# Altium PCB 全兼容主控.PCBDOC (part 2 of 9)
Units mil, origin at the board's own origin, x right, y up, seen from the top; angles counter-clockwise.
Board outline 7562.36 x 15046.55 mil, 2 copper layers (TopLayer, BottomLayer); 375 components, 257 nets, 1094 pads, 839 vias.
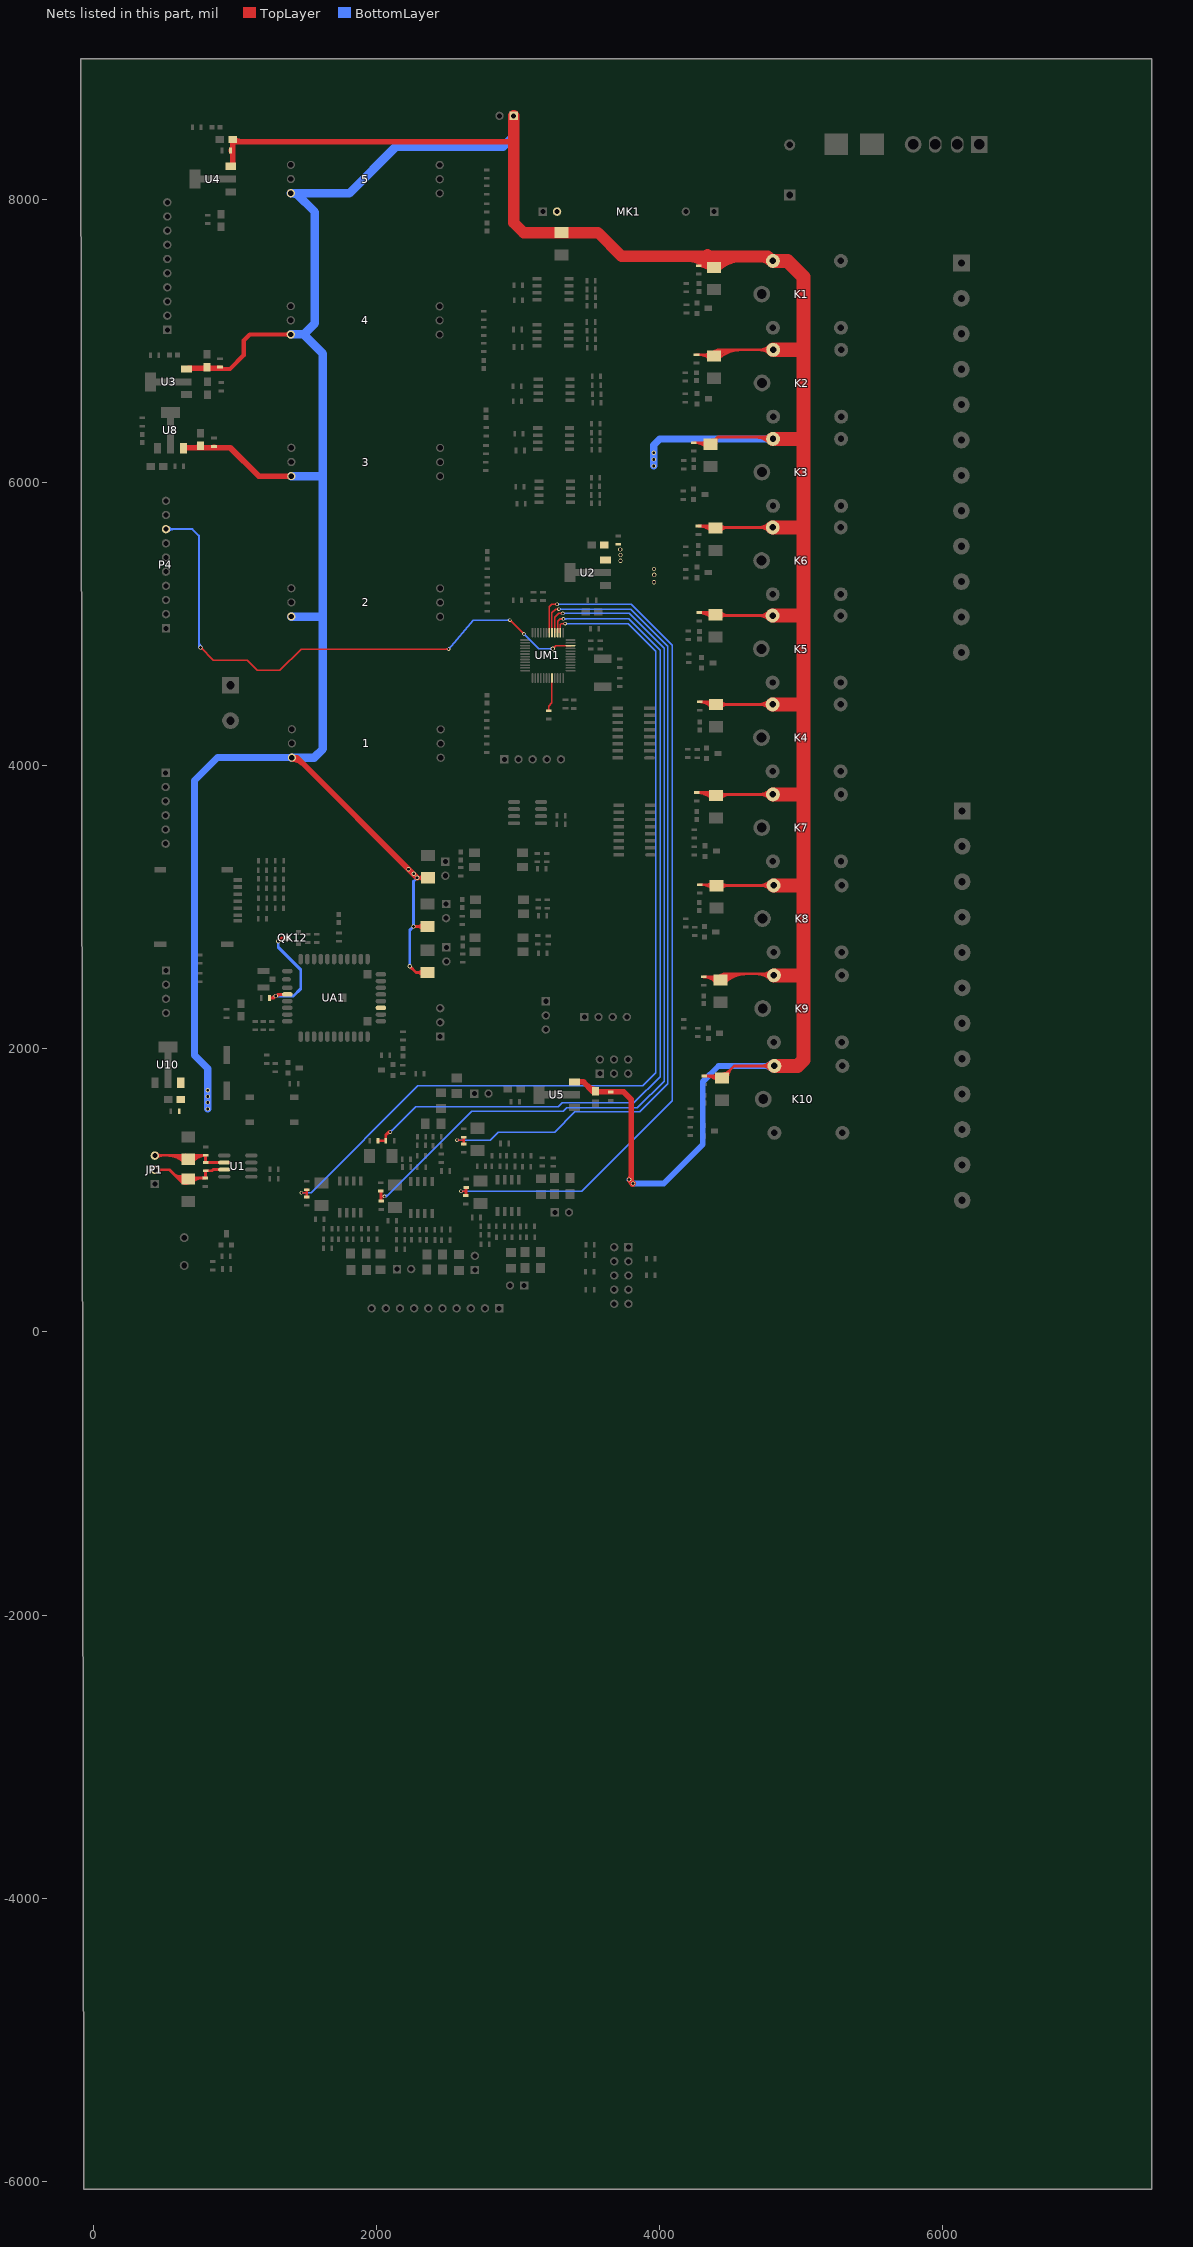
[diagram p2: the nets of this part, all layers, seen from the top]

## Via types
v1: diameter 30, hole 20, TopLayer to BottomLayer, 758 vias
v2: diameter 25, hole 15, TopLayer to BottomLayer, 81 vias

## Nets (pads, with @x,y where several pads share a name; then routed paths per layer and width w, separated by ;. In a path a pad name is that pad's centre, name@x,y a point inside that pad or via, vN(x,y) a via of type N, cw(c..) or ccw(c..) an arc to the next point about the centre after c; other vN are vias at no path point) (continued)
+12V: 1.3 2.3 3.3 4.3 5.3 CP1.1 CP2.2 CP3.1 CP4.1 CP5.2 CP6.2 CP7.1 CP8.2 CP9.1 CP10.2 CP11.1 CP12.2 DJ1.2 DJ2.2 DJ3.2 DJ4.2 DJ5.2 DJ6.2 DJ7.2 DJ8.2 DJ9.2 DJ10.2 DP1.1 DP2.1 DP3.1 DZ1.2 K1.4 K2.4 K3.4 K4.4 K5.4 K6.4 K7.4 K8.4 K9.4 K10.4 MK1.3 P1.1 RJ1.1 RJ2.1 RJ3.1 RJ8.1 RJ9.1 RJ10.1 RJ12.1 RJ13.1 RJ14.1 RJ16.1 U2.3 U3.3 U4.3 U5.3 U8.3 U10.3 | length 59060.6
  TopLayer w20: U3.3@657.71,6800.26 671.52,6814.07 CP5.2@895.36,6814.07 ; v1(2235.32,2582.39) 2280.26,2537.45 DP3.1@2361.71,2537.45 ; v1(2262.7,2863.31) DP2.1@2362.18,2863.31 ; DP1.1@2363.2,3206.9 v1(2287.71,3206.9) ; RJ3.1@4241.9,6279.63 4350.35,6279.63 DJ3.2@4361.02,6268.96 4411.64,6319.59 ; RJ2.1@4260.78,6901.12 DJ2.2@4372.91,6901.12 ; RJ12.1@4261.72,3808.32 4377.46,3808.32 DJ7.2@4398.08,3787.7 4406.01,3795.63 K7.4@4800.61,3795.63 ; RJ10.1@4275.13,5691.09 4410.85,5691.09 DJ6.2@4425.28,5676.67 ; RJ9.1@4280.03,5079.75 4394,5079.75 DJ5.2@4417.32,5056.43 ; RJ13.1@4282.4,3158.15 4400.92,3158.15 DJ8.2@4409.31,3149.76 ; RJ16.1@4315.66,1806.13 4428.76,1806.13 DJ10.2@4441.27,1793.61 4525.78,1878.11 K10.4@4810.86,1878.11 ; DJ5.2@4385.53,5079.75 4406.87,5058.41 K5.4@4798.13,5058.41 ; DJ2.2@4385.73,6892.39 4429.28,6935.94 ; DJ6.2@4394.86,5676.92 4399.76,5681.83 K6.4@4799.13,5681.83 ; DJ8.2@4401.15,3151.07 4403.58,3153.5 K8.4@4805.53,3153.5 ; K4.4@4798.52,4431.4 4398.77,4431.4 DJ4.2@4398,4430.63 4378.97,4449.66 RJ8.1@4284.02,4449.66 ; K1.4@4800.54,7563.94 4431.04,7563.94 DJ1.2@4385.13,7518.03 4373.03,7530.14 RJ1.1@4277.03,7530.14 ; K2.4@4802.4,6935.94 4429.28,6935.94 ; K3.4@4803.74,6319.59 4411.64,6319.59 ; K9.4@4804.91,2528.9 4464.23,2528.9 ; U3.3@667.56,6803.8 cw(c692.36,6779) U3.3@692.36,6814.07 ; U3.3@667.56,6803.8 cw(c692.36,6779) U3.3@692.36,6814.07 ; U3.3@667.56,6803.8 cw(c692.36,6779) U3.3@692.36,6814.07 ; U3.3@681.7,6789.66 cw(c740.65,6730.71) 740.65,6814.07 ; U3.3@681.7,6789.66 cw(c740.65,6730.71) 740.65,6814.07 ; U3.3@681.7,6789.66 cw(c740.65,6730.71) 740.65,6814.07 ; 767.15,6814.07 ccw(c767.15,6850.45) CP3.1@792.87,6824.73 ; 767.15,6814.07 ccw(c767.15,6850.45) CP3.1@792.87,6824.73 ; 767.15,6814.07 ccw(c767.15,6850.45) CP3.1@792.87,6824.73 ; 767.37,6814.07 cw(c767.37,6778.02) CP3.1@792.87,6803.51 ; 767.37,6814.07 cw(c767.37,6778.02) CP3.1@792.87,6803.51 ; 767.37,6814.07 cw(c767.37,6778.02) CP3.1@792.87,6803.51 ; CP3.1@814.08,6803.51 cw(c839.57,6778.02) 839.57,6814.07 ; CP3.1@814.08,6803.51 cw(c839.57,6778.02) 839.57,6814.07 ; CP3.1@814.08,6803.51 cw(c839.57,6778.02) 839.57,6814.07 ; CP3.1@814.08,6824.73 ccw(c839.8,6850.45) 839.8,6814.07 ; CP3.1@814.08,6824.73 ccw(c839.8,6850.45) 839.8,6814.07 ; CP3.1@814.08,6824.73 ccw(c839.8,6850.45) 839.8,6814.07 ; 2280.97,2537.45 cw(c2280.97,2466.55) DP3.1@2331.1,2516.68 ; 2280.97,2537.45 ccw(c2280.97,2608.36) DP3.1@2331.1,2558.22 ; 2280.97,2537.45 cw(c2280.97,2466.55) DP3.1@2331.1,2516.68 ; 2280.97,2537.45 ccw(c2280.97,2608.36) DP3.1@2331.1,2558.22 ; 2280.97,2537.45 cw(c2280.97,2466.55) DP3.1@2331.1,2516.68 ; 2280.97,2537.45 ccw(c2280.97,2608.36) DP3.1@2331.1,2558.22 ; 2281.43,2863.31 cw(c2281.43,2792.4) DP2.1@2331.57,2842.54 ; 2281.43,2863.31 ccw(c2281.43,2934.21) DP2.1@2331.57,2884.08 ; 2281.43,2863.31 cw(c2281.43,2792.4) DP2.1@2331.57,2842.54 ; 2281.43,2863.31 ccw(c2281.43,2934.21) DP2.1@2331.57,2884.08 ; 2281.43,2863.31 cw(c2281.43,2792.4) DP2.1@2331.57,2842.54 ; 2281.43,2863.31 ccw(c2281.43,2934.21) DP2.1@2331.57,2884.08 ; v1(2287.71,3206.9) cw(c2287.71,3148.22) DP1.1@2331.46,3187.33 ; v1(2287.71,3206.9) ccw(c2287.71,3265.59) DP1.1@2331.46,3226.48 ; v1(2287.71,3206.9) cw(c2287.71,3148.22) DP1.1@2331.46,3187.33 ; v1(2287.71,3206.9) ccw(c2287.71,3265.59) DP1.1@2331.46,3226.48 ; v1(2287.71,3206.9) cw(c2287.71,3148.22) DP1.1@2331.46,3187.33 ; v1(2287.71,3206.9) ccw(c2287.71,3265.59) DP1.1@2331.46,3226.48 ; RJ3.1@4254.51,6279.63 cw(c4254.51,6172.3) DJ3.2@4330.4,6248.2 ; RJ3.1@4254.51,6279.63 cw(c4254.51,6172.3) DJ3.2@4330.4,6248.2 ; RJ3.1@4254.51,6279.63 cw(c4254.51,6172.3) DJ3.2@4330.4,6248.2 ; RJ12.1@4267.56,3808.32 cw(c4267.56,3667.02) DJ7.2@4367.47,3766.93 ; RJ12.1@4267.56,3808.32 cw(c4267.56,3667.02) DJ7.2@4367.47,3766.93 ; RJ12.1@4267.56,3808.32 cw(c4267.56,3667.02) DJ7.2@4367.47,3766.93 ; RJ1.1@4277.03,7530.14 cw(c4277.04,7422.39) DJ1.2@4354.24,7497.55 ; RJ1.1@4277.03,7530.14 cw(c4277.04,7422.39) DJ1.2@4354.24,7497.55 ; RJ1.1@4277.03,7530.14 cw(c4277.04,7422.39) DJ1.2@4354.24,7497.55 ; RJ10.1@4279.89,5691.09 cw(c4279.89,5571.8) DJ6.2@4364.24,5656.15 ; RJ10.1@4279.89,5691.09 cw(c4279.89,5571.8) DJ6.2@4364.24,5656.15 ; RJ10.1@4279.89,5691.09 cw(c4279.89,5571.8) DJ6.2@4364.24,5656.15 ; RJ9.1@4280.03,5079.75 cw(c4280.07,4958.43) DJ5.2@4365.86,5044.22 ; RJ9.1@4280.03,5079.75 cw(c4280.07,4958.43) DJ5.2@4365.86,5044.22 ; RJ9.1@4280.03,5079.75 cw(c4280.07,4958.43) DJ5.2@4365.86,5044.22 ; 4283.92,6901.12 cw(c4283.92,6800.42) DJ2.2@4355.12,6871.62 ; 4283.92,6901.12 cw(c4283.92,6800.42) DJ2.2@4355.12,6871.62 ; 4283.92,6901.12 cw(c4283.92,6800.42) DJ2.2@4355.12,6871.62 ; RJ8.1@4284.02,4449.66 cw(c4284.03,4342.81) DJ4.2@4365.71,4411.7 ; RJ8.1@4284.02,4449.66 cw(c4284.03,4342.81) DJ4.2@4365.71,4411.7 ; RJ8.1@4284.02,4449.66 cw(c4284.03,4342.81) DJ4.2@4365.71,4411.7 ; 4302.79,6279.63 cw(c4302.79,6220.58) DJ3.2@4344.55,6262.34 ; 4302.79,6279.63 cw(c4302.79,6220.58) DJ3.2@4344.55,6262.34 ; 4302.79,6279.63 cw(c4302.79,6220.58) DJ3.2@4344.55,6262.34 ; 4303.32,3158.15 cw(c4303.32,3063.09) DJ8.2@4370.54,3130.31 ; 4303.32,3158.15 cw(c4303.32,3063.09) DJ8.2@4370.54,3130.31 ; 4303.32,3158.15 cw(c4303.32,3063.09) DJ8.2@4370.54,3130.31 ; 4306.02,6279.63 ccw(c4306.02,6314.11) DJ3.2@4330.4,6289.73 ; 4306.02,6279.63 ccw(c4306.02,6314.11) DJ3.2@4330.4,6289.73 ; 4306.02,6279.63 ccw(c4306.02,6314.11) DJ3.2@4330.4,6289.73 ; RJ14.1@4310.56,2507.25 cw(c4310.57,2393.9) DJ9.2@4397.43,2466.72 ; RJ14.1@4310.56,2507.25 cw(c4310.57,2393.9) DJ9.2@4397.43,2466.72 ; RJ14.1@4310.56,2507.25 cw(c4310.57,2393.9) DJ9.2@4397.43,2466.72 ; RJ14.1@4310.56,2507.25 4418.86,2507.25 4430.72,2495.39 4464.23,2528.9 ; 4315.84,3808.32 cw(c4315.84,3715.3) DJ7.2@4381.61,3781.07 ; 4315.84,3808.32 cw(c4315.84,3715.3) DJ7.2@4381.61,3781.07 ; 4315.84,3808.32 cw(c4315.84,3715.3) DJ7.2@4381.61,3781.07 ; 4324.41,7530.14 cw(c4324.41,7468.51) DJ1.2@4368.58,7511.5 ; 4324.41,7530.14 cw(c4324.41,7468.51) DJ1.2@4368.58,7511.5 ; 4324.41,7530.14 cw(c4324.41,7468.51) DJ1.2@4368.58,7511.5 ; 4326.05,6901.12 ccw(c4326.05,6942.23) DJ2.2@4355.12,6913.16 ; 4326.05,6901.12 ccw(c4326.05,6942.23) DJ2.2@4355.12,6913.16 ; 4326.05,6901.12 ccw(c4326.05,6942.23) DJ2.2@4355.12,6913.16 ; 4327.06,4449.66 cw(c4327.06,4379.1) DJ4.2@4380.99,4424.59 ; 4327.06,4449.66 cw(c4327.06,4379.1) DJ4.2@4380.99,4424.59 ; 4327.06,4449.66 cw(c4327.06,4379.1) DJ4.2@4380.99,4424.59 ; 4328.18,5691.09 cw(c4328.18,5620.08) DJ6.2@4378.39,5670.3 ; 4328.18,5691.09 cw(c4328.18,5620.08) DJ6.2@4378.39,5670.3 ; 4328.18,5691.09 cw(c4328.18,5620.08) DJ6.2@4378.39,5670.3 ; 4328.36,5079.75 cw(c4328.36,5006.72) DJ5.2@4380,5058.36 ; 4328.36,5079.75 cw(c4328.36,5006.72) DJ5.2@4380,5058.36 ; 4328.36,5079.75 cw(c4328.36,5006.72) DJ5.2@4380,5058.36 ; RJ16.1@4330.31,1806.13 cw(c4330.31,1692.49) DJ10.2@4410.66,1772.84 ; RJ16.1@4330.31,1806.13 cw(c4330.31,1692.49) DJ10.2@4410.66,1772.84 ; RJ16.1@4330.31,1806.13 cw(c4330.31,1692.49) DJ10.2@4410.66,1772.84 ; 4332.2,6901.12 cw(c4332.2,6848.7) DJ2.2@4369.26,6885.76 ; 4332.2,6901.12 cw(c4332.2,6848.7) DJ2.2@4369.26,6885.76 ; 4332.2,6901.12 cw(c4332.2,6848.7) DJ2.2@4369.26,6885.76 ; 4333.61,7530.14 ccw(c4333.61,7559.71) DJ1.2@4354.52,7538.8 ; 4333.61,7530.14 ccw(c4333.61,7559.71) DJ1.2@4354.52,7538.8 ; 4333.61,7530.14 ccw(c4333.61,7559.71) DJ1.2@4354.52,7538.8 ; 4337.48,3158.15 ccw(c4337.48,3204.9) DJ8.2@4370.54,3171.84 ; 4337.48,3158.15 ccw(c4337.48,3204.9) DJ8.2@4370.54,3171.84 ; 4337.48,3158.15 ccw(c4337.48,3204.9) DJ8.2@4370.54,3171.84 ; 4351.61,3158.15 cw(c4351.61,3111.37) DJ8.2@4384.68,3144.45 ; 4351.61,3158.15 cw(c4351.61,3111.37) DJ8.2@4384.68,3144.45 ; 4351.61,3158.15 cw(c4351.61,3111.37) DJ8.2@4384.68,3144.45 ; 4353.43,2507.25 cw(c4353.43,2429.83) DJ9.2@4412.76,2479.57 ; 4353.43,2507.25 cw(c4353.43,2429.83) DJ9.2@4412.76,2479.57 ; 4353.43,2507.25 cw(c4353.43,2429.83) DJ9.2@4412.76,2479.57 ; DJ3.2@4370.86,6298.33 ccw(c4370.86,6345.48) 4404.19,6312.14 ; DJ3.2@4370.86,6298.33 ccw(c4370.86,6345.48) 4404.19,6312.14 ; DJ3.2@4370.86,6298.33 ccw(c4370.86,6345.48) 4404.19,6312.14 ; DJ1.2@4373.32,7539.69 cw(c4431.86,7481.14) 4431.86,7563.94 ; DJ1.2@4373.32,7539.69 cw(c4431.86,7481.14) 4431.86,7563.94 ; DJ1.2@4373.32,7539.69 cw(c4431.86,7481.14) 4431.86,7563.94 ; DJ2.2@4373.92,6914.05 cw(c4426.77,6861.2) 4426.77,6935.94 ; DJ2.2@4373.92,6914.05 cw(c4426.77,6861.2) 4426.77,6935.94 ; DJ2.2@4373.92,6914.05 cw(c4426.77,6861.2) 4426.77,6935.94 ; 4378.59,1806.13 cw(c4378.59,1740.77) DJ10.2@4424.81,1786.98 ; 4378.59,1806.13 cw(c4378.59,1740.77) DJ10.2@4424.81,1786.98 ; 4378.59,1806.13 cw(c4378.59,1740.77) DJ10.2@4424.81,1786.98 ; DJ1.2@4387.46,7525.55 cw(c4480.15,7432.86) 4480.15,7563.94 ; DJ1.2@4387.46,7525.55 cw(c4480.15,7432.86) 4480.15,7563.94 ; DJ1.2@4387.46,7525.55 cw(c4480.15,7432.86) 4480.15,7563.94 ; DJ2.2@4388.06,6899.91 cw(c4475.05,6812.91) 4475.05,6935.94 ; DJ2.2@4388.06,6899.91 cw(c4475.05,6812.91) 4475.05,6935.94 ; DJ2.2@4388.06,6899.91 cw(c4475.05,6812.91) 4475.05,6935.94 ; 4390.74,1806.13 ccw(c4390.74,1834.3) DJ10.2@4410.66,1814.38 ; 4390.74,1806.13 ccw(c4390.74,1834.3) DJ10.2@4410.66,1814.38 ; 4390.74,1806.13 ccw(c4390.74,1834.3) DJ10.2@4410.66,1814.38 ; DJ1.2@4394.98,7547.4 ccw(c4394.98,7594.55) 4428.31,7561.21 ; DJ1.2@4394.98,7547.4 ccw(c4394.98,7594.55) 4428.31,7561.21 ; DJ1.2@4394.98,7547.4 ccw(c4394.98,7594.55) 4428.31,7561.21 ; DJ2.2@4395.58,6921.76 ccw(c4395.58,6968.9) 4428.91,6935.57 ; DJ2.2@4395.58,6921.76 ccw(c4395.58,6968.9) 4428.91,6935.57 ; DJ2.2@4395.58,6921.76 ccw(c4395.58,6968.9) 4428.91,6935.57 ; DJ3.2@4399.39,6275.91 cw(c4444.36,6286.86) 4411.64,6319.59 ; DJ3.2@4399.39,6275.91 cw(c4444.36,6286.86) 4411.64,6319.59 ; DJ3.2@4399.39,6275.91 cw(c4444.36,6286.86) 4411.64,6319.59 ; DJ1.2@4401.6,7511.41 cw(c4528.43,7384.57) 4528.43,7563.94 ; DJ1.2@4401.6,7511.41 cw(c4528.43,7384.57) 4528.43,7563.94 ; DJ1.2@4401.6,7511.41 cw(c4528.43,7384.57) 4528.43,7563.94 ; DJ2.2@4402.2,6885.76 cw(c4523.34,6764.63) 4523.34,6935.94 ; DJ2.2@4402.2,6885.76 cw(c4523.34,6764.63) 4523.34,6935.94 ; DJ2.2@4402.2,6885.76 cw(c4523.34,6764.63) 4523.34,6935.94 ; DJ7.2@4414.55,3781.07 cw(c4449.69,3745.94) 4449.69,3795.63 ; DJ7.2@4414.55,3781.07 cw(c4449.69,3745.94) 4449.69,3795.63 ; DJ7.2@4414.55,3781.07 cw(c4449.69,3745.94) 4449.69,3795.63 ; DJ1.2@4415.74,7497.26 cw(c4576.72,7336.29) 4576.72,7563.94 ; DJ1.2@4415.74,7497.26 cw(c4576.72,7336.29) 4576.72,7563.94 ; DJ1.2@4415.74,7497.26 cw(c4576.72,7336.29) 4576.72,7563.94 ; DJ2.2@4416.34,6871.62 cw(c4571.62,6716.35) 4571.62,6935.94 ; DJ2.2@4416.34,6871.62 cw(c4571.62,6716.35) 4571.62,6935.94 ; DJ2.2@4416.34,6871.62 cw(c4571.62,6716.35) 4571.62,6935.94 ; DJ9.2@4417.97,2507.25 cw(c4470.24,2454.97) 4470.24,2528.9 ; DJ9.2@4417.97,2507.25 cw(c4470.24,2454.97) 4470.24,2528.9 ; DJ9.2@4417.97,2507.25 cw(c4470.24,2454.97) 4470.24,2528.9 ; DJ1.2@4422.72,7527.67 cw(c4455.82,7539.17) 4431.04,7563.94 ; DJ1.2@4422.72,7527.67 cw(c4455.82,7539.17) 4431.04,7563.94 ; DJ1.2@4422.72,7527.67 cw(c4455.82,7539.17) 4431.04,7563.94 ; DJ2.2@4422.76,6903.51 cw(c4450.4,6914.82) 4429.28,6935.94 ; DJ2.2@4422.76,6903.51 cw(c4450.4,6914.82) 4429.28,6935.94 ; DJ2.2@4422.76,6903.51 cw(c4450.4,6914.82) 4429.28,6935.94 ; DJ6.2@4425.47,5656.15 cw(c4487.45,5594.17) 4487.45,5681.83 ; DJ6.2@4425.47,5656.15 cw(c4487.45,5594.17) 4487.45,5681.83 ; DJ6.2@4425.47,5656.15 cw(c4487.45,5594.17) 4487.45,5681.83 ; DJ6.2@4425.47,5697.69 ccw(c4463.75,5735.98) 4463.75,5681.83 ; DJ6.2@4425.47,5697.69 ccw(c4463.75,5735.98) 4463.75,5681.83 ; DJ6.2@4425.47,5697.69 ccw(c4463.75,5735.98) 4463.75,5681.83 ; DJ5.2@4427.08,5044.22 cw(c4461.35,5009.94) 4461.35,5058.41 ; DJ5.2@4427.08,5044.22 cw(c4461.35,5009.94) 4461.35,5058.41 ; DJ5.2@4427.08,5044.22 cw(c4461.35,5009.94) 4461.35,5058.41 ; DJ5.2@4427.08,5085.75 ccw(c4493.08,5151.76) 4493.08,5058.41 ; DJ5.2@4427.08,5085.75 ccw(c4493.08,5151.76) 4493.08,5058.41 ; DJ5.2@4427.08,5085.75 ccw(c4493.08,5151.76) 4493.08,5058.41 ; DJ4.2@4428.61,4409.86 cw(c4480.6,4357.88) 4480.6,4431.4 ; DJ4.2@4428.61,4409.86 cw(c4480.6,4357.88) 4480.6,4431.4 ; DJ4.2@4428.61,4409.86 cw(c4480.6,4357.88) 4480.6,4431.4 ; DJ4.2@4428.61,4451.4 ccw(c4476.9,4499.69) 4476.9,4431.4 ; DJ4.2@4428.61,4451.4 ccw(c4476.9,4499.69) 4476.9,4431.4 ; DJ4.2@4428.61,4451.4 ccw(c4476.9,4499.69) 4476.9,4431.4 ; DJ7.2@4428.69,3766.93 cw(c4497.97,3697.65) 4497.97,3795.63 ; DJ7.2@4428.69,3766.93 cw(c4497.97,3697.65) 4497.97,3795.63 ; DJ7.2@4428.69,3766.93 cw(c4497.97,3697.65) 4497.97,3795.63 ; DJ7.2@4428.69,3808.47 ccw(c4459.69,3839.46) 4459.69,3795.63 ; DJ7.2@4428.69,3808.47 ccw(c4459.69,3839.46) 4459.69,3795.63 ; DJ7.2@4428.69,3808.47 ccw(c4459.69,3839.46) 4459.69,3795.63 ; DJ8.2@4431.76,3130.31 cw(c4487.77,3074.3) 4487.77,3153.5 ; DJ8.2@4431.76,3130.31 cw(c4487.77,3074.3) 4487.77,3153.5 ; DJ8.2@4431.76,3130.31 cw(c4487.77,3074.3) 4487.77,3153.5 ; DJ8.2@4431.76,3171.84 ccw(c4476.03,3216.11) 4476.03,3153.5 ; DJ8.2@4431.76,3171.84 ccw(c4476.03,3216.11) 4476.03,3153.5 ; DJ8.2@4431.76,3171.84 ccw(c4476.03,3216.11) 4476.03,3153.5 ; DJ9.2@4432.11,2493.11 cw(c4518.53,2406.68) 4518.53,2528.9 ; DJ9.2@4432.11,2493.11 cw(c4518.53,2406.68) 4518.53,2528.9 ; DJ9.2@4432.11,2493.11 cw(c4518.53,2406.68) 4518.53,2528.9 ; DJ9.2@4439.62,2514.96 ccw(c4439.62,2540.7) DJ9.2@4457.82,2522.5 ; DJ9.2@4439.62,2514.96 ccw(c4439.62,2540.7) DJ9.2@4457.82,2522.5 ; DJ9.2@4439.62,2514.96 ccw(c4439.62,2540.7) DJ9.2@4457.82,2522.5 ; DJ9.2@4446.25,2478.96 cw(c4566.81,2358.4) 4566.81,2528.9 ; DJ9.2@4446.25,2478.96 cw(c4566.81,2358.4) 4566.81,2528.9 ; DJ9.2@4446.25,2478.96 cw(c4566.81,2358.4) 4566.81,2528.9 ; DJ10.2@4451.12,1822.98 ccw(c4451.12,1870.12) 4484.45,1836.79 ; DJ10.2@4451.12,1822.98 ccw(c4451.12,1870.12) 4484.45,1836.79 ; DJ10.2@4451.12,1822.98 ccw(c4451.12,1870.12) 4484.45,1836.79 ; DJ9.2@4460.39,2464.82 cw(c4615.1,2310.12) 4615.1,2528.9 ; DJ9.2@4460.39,2464.82 cw(c4615.1,2310.12) 4615.1,2528.9 ; DJ9.2@4460.39,2464.82 cw(c4615.1,2310.12) 4615.1,2528.9 ; DJ10.2@4460.49,1793.61 cw(c4506.87,1793.61) DJ10.2@4474.07,1826.41 ; DJ10.2@4460.49,1793.61 cw(c4506.87,1793.61) DJ10.2@4474.07,1826.41 ; DJ10.2@4460.49,1793.61 cw(c4506.87,1793.61) DJ10.2@4474.07,1826.41 ; DJ9.2@4462.72,2503.73 cw(c4477.66,2515.47) 4464.23,2528.9 ; DJ9.2@4462.72,2503.73 cw(c4477.66,2515.47) 4464.23,2528.9 ; DJ9.2@4462.72,2503.73 cw(c4477.66,2515.47) 4464.23,2528.9 ; DJ10.2@4480.49,1793.61 cw(c4575.15,1793.61) 4508.21,1860.55 ; DJ10.2@4480.49,1793.61 cw(c4575.15,1793.61) 4508.21,1860.55 ; DJ10.2@4480.49,1793.61 cw(c4575.15,1793.61) 4508.21,1860.55 ; 4675.2,6319.59 cw(c4675.2,6180.21) K3.4@4773.76,6278.77 ; 4675.2,6319.59 cw(c4675.2,6180.21) K3.4@4773.76,6278.77 ; 4675.2,6319.59 cw(c4675.2,6180.21) K3.4@4773.76,6278.77 ; 4686.09,2528.9 cw(c4686.09,2396.89) K9.4@4779.44,2490.24 ; 4686.09,2528.9 cw(c4686.09,2396.89) K9.4@4779.44,2490.24 ; 4686.09,2528.9 cw(c4686.09,2396.89) K9.4@4779.44,2490.24 ; 4703.46,5058.41 cw(c4703.46,4963.75) K5.4@4770.41,5030.69 ; 4703.46,5058.41 ccw(c4703.46,5153.08) K5.4@4770.41,5086.14 ; 4703.46,5058.41 cw(c4703.46,4963.75) K5.4@4770.41,5030.69 ; 4703.46,5058.41 ccw(c4703.46,5153.08) K5.4@4770.41,5086.14 ; 4703.46,5058.41 cw(c4703.46,4963.75) K5.4@4770.41,5030.69 ; 4703.46,5058.41 ccw(c4703.46,5153.08) K5.4@4770.41,5086.14 ; 4703.85,4431.4 cw(c4703.85,4336.73) K4.4@4770.79,4403.67 ; 4703.85,4431.4 ccw(c4703.85,4526.06) K4.4@4770.79,4459.12 ; 4703.85,4431.4 cw(c4703.85,4336.73) K4.4@4770.79,4403.67 ; 4703.85,4431.4 ccw(c4703.85,4526.06) K4.4@4770.79,4459.12 ; 4703.85,4431.4 cw(c4703.85,4336.73) K4.4@4770.79,4403.67 ; 4703.85,4431.4 ccw(c4703.85,4526.06) K4.4@4770.79,4459.12 ; 4704.46,5681.83 cw(c4704.46,5587.16) K6.4@4771.4,5654.1 ; 4704.46,5681.83 ccw(c4704.46,5776.5) K6.4@4771.4,5709.56 ; 4704.46,5681.83 cw(c4704.46,5587.16) K6.4@4771.4,5654.1 ; 4704.46,5681.83 ccw(c4704.46,5776.5) K6.4@4771.4,5709.56 ; 4704.46,5681.83 cw(c4704.46,5587.16) K6.4@4771.4,5654.1 ; 4704.46,5681.83 ccw(c4704.46,5776.5) K6.4@4771.4,5709.56 ; 4705.88,7563.94 cw(c4705.88,7469.27) K1.4@4772.82,7536.21 ; 4705.88,7563.94 ccw(c4705.88,7658.61) K1.4@4772.82,7591.67 ; 4705.88,7563.94 cw(c4705.88,7469.27) K1.4@4772.82,7536.21 ; 4705.88,7563.94 ccw(c4705.88,7658.61) K1.4@4772.82,7591.67 ; 4705.88,7563.94 cw(c4705.88,7469.27) K1.4@4772.82,7536.21 ; 4705.88,7563.94 ccw(c4705.88,7658.61) K1.4@4772.82,7591.67 ; 4705.94,3795.63 cw(c4705.94,3700.96) K7.4@4772.88,3767.9 ; 4705.94,3795.63 ccw(c4705.94,3890.3) K7.4@4772.88,3823.36 ; 4705.94,3795.63 cw(c4705.94,3700.96) K7.4@4772.88,3767.9 ; 4705.94,3795.63 ccw(c4705.94,3890.3) K7.4@4772.88,3823.36 ; 4705.94,3795.63 cw(c4705.94,3700.96) K7.4@4772.88,3767.9 ; 4705.94,3795.63 ccw(c4705.94,3890.3) K7.4@4772.88,3823.36 ; 4707.73,6935.94 cw(c4707.73,6841.27) K2.4@4774.67,6908.21 ; 4707.73,6935.94 ccw(c4707.73,7030.61) K2.4@4774.67,6963.67 ; 4707.73,6935.94 cw(c4707.73,6841.27) K2.4@4774.67,6908.21 ; 4707.73,6935.94 ccw(c4707.73,7030.61) K2.4@4774.67,6963.67 ; 4707.73,6935.94 cw(c4707.73,6841.27) K2.4@4774.67,6908.21 ; 4707.73,6935.94 ccw(c4707.73,7030.61) K2.4@4774.67,6963.67 ; 4710.86,3153.5 cw(c4710.86,3058.84) K8.4@4777.8,3125.78 ; 4710.86,3153.5 ccw(c4710.86,3248.17) K8.4@4777.8,3181.23 ; 4710.86,3153.5 cw(c4710.86,3058.84) K8.4@4777.8,3125.78 ; 4710.86,3153.5 ccw(c4710.86,3248.17) K8.4@4777.8,3181.23 ; 4710.86,3153.5 cw(c4710.86,3058.84) K8.4@4777.8,3125.78 ; 4710.86,3153.5 ccw(c4710.86,3248.17) K8.4@4777.8,3181.23 ; 4716.19,1878.11 cw(c4716.19,1783.45) K10.4@4783.13,1850.39 ; 4716.19,1878.11 ccw(c4716.19,1972.78) K10.4@4783.13,1905.84 ; 4716.19,1878.11 cw(c4716.19,1783.45) K10.4@4783.13,1850.39 ; 4716.19,1878.11 ccw(c4716.19,1972.78) K10.4@4783.13,1905.84 ; 4716.19,1878.11 cw(c4716.19,1783.45) K10.4@4783.13,1850.39 ; 4716.19,1878.11 ccw(c4716.19,1972.78) K10.4@4783.13,1905.84 ; 4723.49,6319.59 cw(c4723.49,6228.5) K3.4@4787.9,6292.91 ; 4723.49,6319.59 cw(c4723.49,6228.5) K3.4@4787.9,6292.91 ; 4723.49,6319.59 cw(c4723.49,6228.5) K3.4@4787.9,6292.91 ; 4734.38,2528.9 cw(c4734.38,2445.17) K9.4@4793.59,2504.38 ; 4734.38,2528.9 cw(c4734.38,2445.17) K9.4@4793.59,2504.38 ; 4734.38,2528.9 cw(c4734.38,2445.17) K9.4@4793.59,2504.38 ; 4738.43,6319.59 ccw(c4738.43,6369.55) K3.4@4773.76,6334.22 ; 4738.43,6319.59 ccw(c4738.43,6369.55) K3.4@4773.76,6334.22 ; 4738.43,6319.59 ccw(c4738.43,6369.55) K3.4@4773.76,6334.22 ; 4738.91,2528.9 ccw(c4738.91,2586.22) K9.4@4779.44,2545.69 ; 4738.91,2528.9 ccw(c4738.91,2586.22) K9.4@4779.44,2545.69 ; 4738.91,2528.9 ccw(c4738.91,2586.22) K9.4@4779.44,2545.69
  TopLayer w30: U3.3@657.71,6800.26 965.33,6800.26 1063.09,6898.02 1063.09,7001.82 1105.56,7044.3 4.3@1395.55,7044.3 ; 757.95,6800.26 ccw(c757.95,6854.64) CP3.1@796.4,6816.19 ; 757.95,6800.26 ccw(c757.95,6854.64) CP3.1@796.4,6816.19 ; 757.95,6800.26 ccw(c757.95,6854.64) CP3.1@796.4,6816.19 ; CP3.1@810.54,6816.19 ccw(c848.99,6854.64) 848.99,6800.26 ; CP3.1@810.54,6816.19 ccw(c848.99,6854.64) 848.99,6800.26 ; CP3.1@810.54,6816.19 ccw(c848.99,6854.64) 848.99,6800.26 ; 864.63,6800.26 ccw(c864.63,6834.96) CP5.2@889.16,6810.43 ; 864.63,6800.26 ccw(c864.63,6834.96) CP5.2@889.16,6810.43 ; 864.63,6800.26 ccw(c864.63,6834.96) CP5.2@889.16,6810.43 ; CP5.2@901.55,6810.43 ccw(c926.09,6834.96) 926.09,6800.26 ; CP5.2@901.55,6810.43 ccw(c926.09,6834.96) 926.09,6800.26 ; CP5.2@901.55,6810.43 ccw(c926.09,6834.96) 926.09,6800.26 ; 1361.75,7044.3 cw(c1361.75,7010.5) 4.3@1385.65,7034.4 ; 1361.75,7044.3 ccw(c1361.75,7078.1) 4.3@1385.65,7054.2 ; 1361.75,7044.3 cw(c1361.75,7010.5) 4.3@1385.65,7034.4 ; 1361.75,7044.3 ccw(c1361.75,7078.1) 4.3@1385.65,7054.2 ; 1361.75,7044.3 cw(c1361.75,7010.5) 4.3@1385.65,7034.4 ; 1361.75,7044.3 ccw(c1361.75,7078.1) 4.3@1385.65,7054.2